# Altium PCB 4WD Robot Controller.PcbDoc
Units mil, origin at the board's own origin, x right, y up, seen from the top; angles counter-clockwise.
Board outline 4700 x 3150 mil, 2 copper layers (Top, Bottom); 113 components, 74 nets, 337 pads, 310 vias.
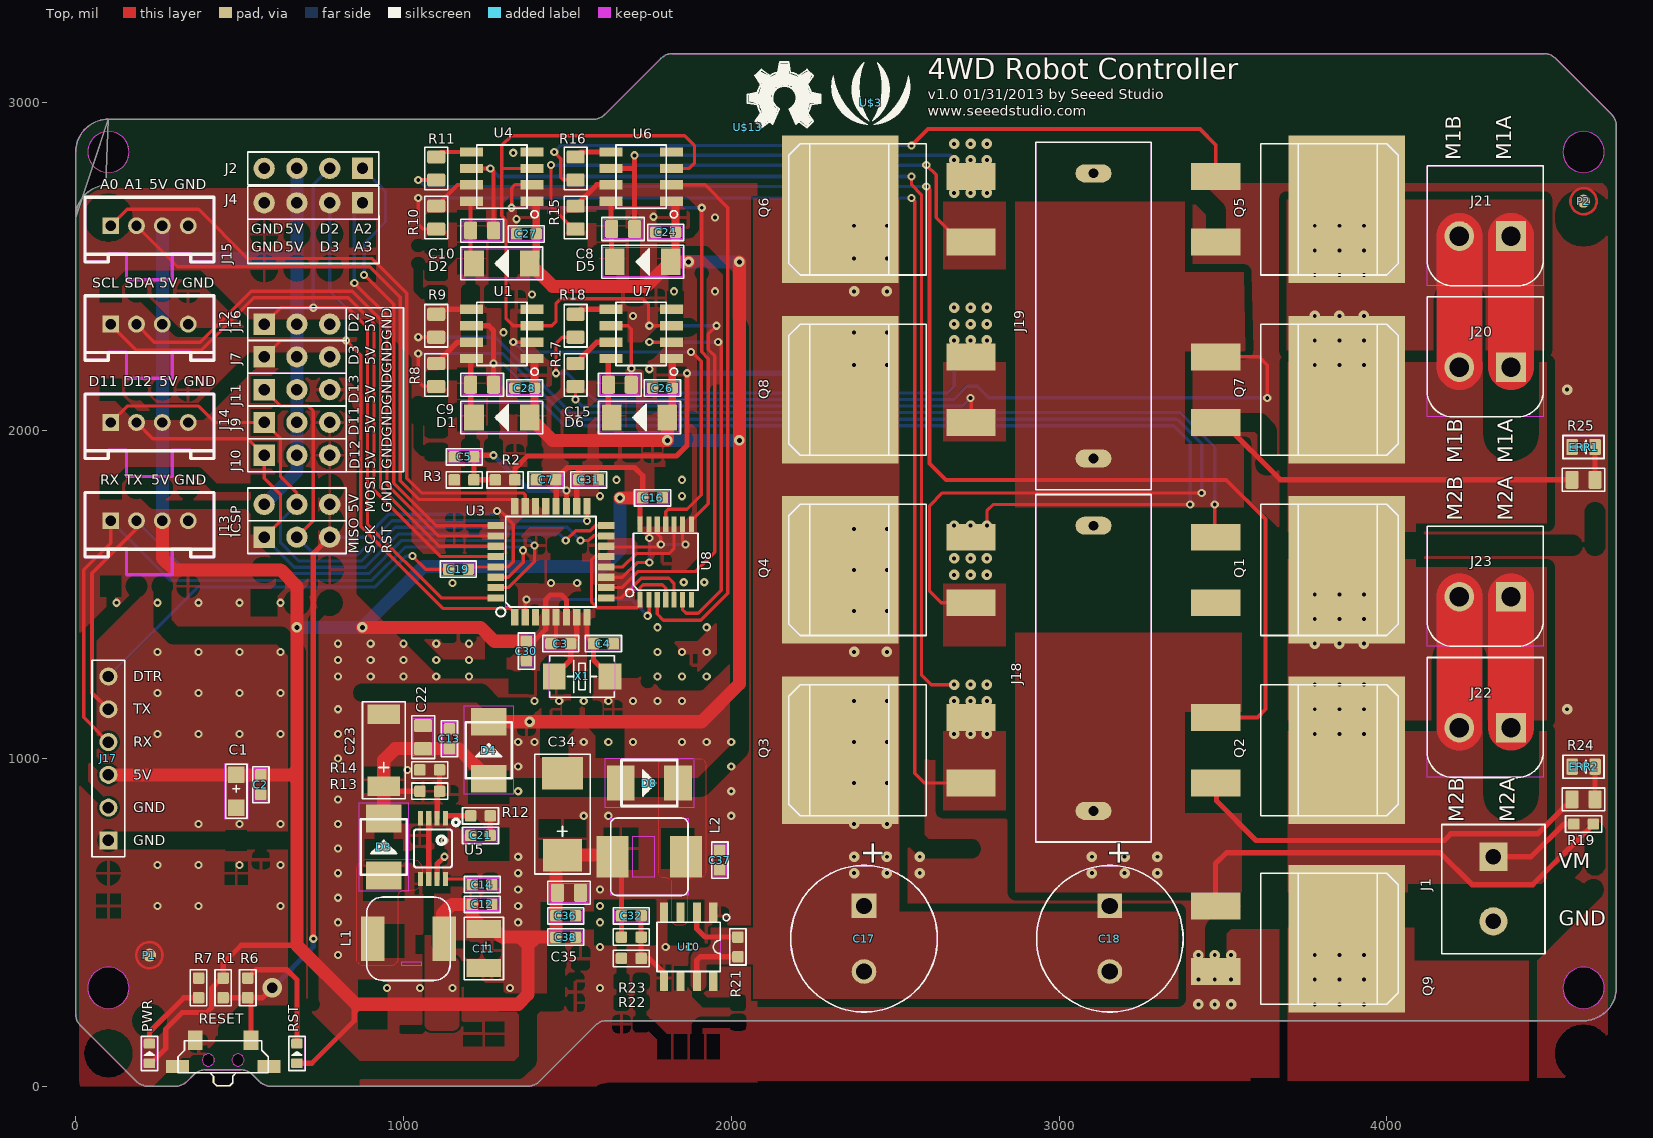
[diagram p0: Top view]
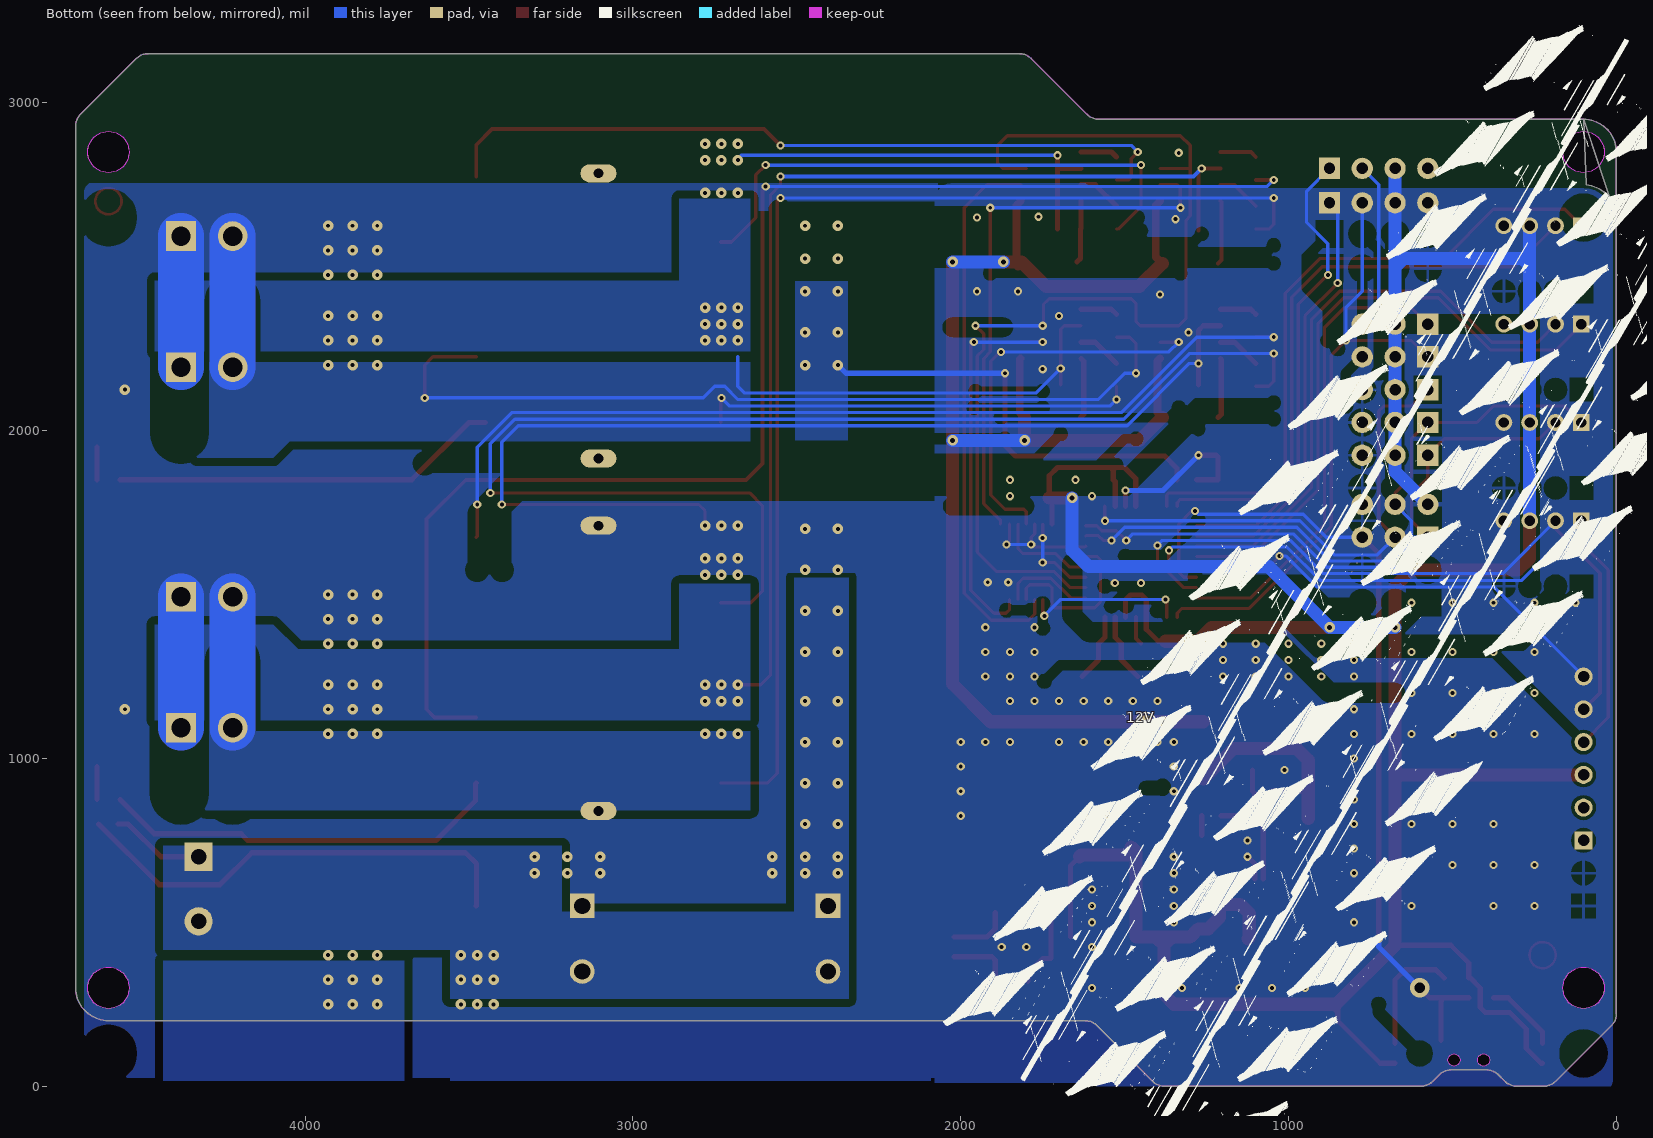
[diagram p1: Bottom view, seen from below]

## Layer stack, top to bottom
Top Solder: solder mask 0.4, Solder Resist, Dk 3.5
Top: signal copper 1.378
Dielectric 1: dielectric 12.6, FR-4, Dk 4.8
Bottom: signal copper 1.378
Bottom Solder: solder mask 0.4, Solder Resist, Dk 3.5

## Board outline
100,2950 ccw(c100,2850) 0,2850 0,220.71 ccw(c49.99,220.71) 14.64,185.36 185.36,14.64 ccw(c220.71,49.99) 220.71,0 304.29,0 ccw(c304.29,49.99) 339.64,14.64 360.36,35.36 cw(c395.71,0.01) 395.71,50 504.29,50 cw(c504.29,0.01) 539.64,35.36 560.36,14.64 ccw(c595.71,49.99) 595.71,0 1379.29,0 ccw(c1379.29,49.99) 1414.64,14.64 1585.36,185.36 cw(c1620.71,150.01) 1620.71,200 4600,200 ccw(c4600,300) 4700,300 4700,2929.29 ccw(c4650.01,2929.29) 4685.36,2964.64 4514.64,3135.36 ccw(c4479.29,3100.01) 4479.29,3150 1820.71,3150 ccw(c1820.71,3100.01) 1785.36,3135.36 1614.64,2964.64 cw(c1579.29,2999.99) 1579.29,2950 100,2950 ccw(c100,2650)
cut-out: 100,2787 ccw(c100,2850) 163,2850 ccw(c100,2850) 100,2913 ccw(c100,2850) 37,2850 ccw(c100,2850)
cut-out: 100,237 ccw(c100,300) 163,300 ccw(c100,300) 100,363 ccw(c100,300) 37,300 ccw(c100,300)
cut-out: 4600,2787 ccw(c4600,2850) 4663,2850 ccw(c4600,2850) 4600,2913 ccw(c4600,2850) 4537,2850 ccw(c4600,2850)
cut-out: 4600,237 ccw(c4600,300) 4663,300 ccw(c4600,300) 4600,363 ccw(c4600,300) 4537,300 ccw(c4600,300)
cut-out: 495.28,61.3 ccw(c495.28,80) 513.98,80 ccw(c495.28,80) 495.28,98.7 ccw(c495.28,80) 476.58,80 ccw(c495.28,80)
cut-out: 404.72,61.3 ccw(c404.72,80) 423.42,80 ccw(c404.72,80) 404.72,98.7 ccw(c404.72,80) 386.02,80 ccw(c404.72,80)

## Design rules (kind name [scope] priority, off if disabled: settings)
BoardOutlineClearance mdCopperDimension [All] p1: gap=10 ignorepadtopadclearanceinfootprint=FALSE except(0: Arc-SplitContinuation Track-SplitContinuation SMDPad-SplitContinuation THPad-SplitContinuation Via-SplitContinuation Fill-SplitContinuation Poly-SplitContinuation Region-SplitContinuation Text-SplitContinuation)
Clearance Clearance_for_PolygonClass_Isolate_25 [InPolygonClass('Isolate_25') vs IsArc Or IsTrack Or IsPad Or IsVia Or IsFill Or IsRegion Or IsText] p1: gap=25 ignorepadtopadclearanceinfootprint=FALSE
Clearance Clearance_for_PolygonClass_Isolate_8 [InPolygonClass('Isolate_8') vs IsArc Or IsTrack Or IsPad Or IsVia Or IsFill Or IsRegion Or IsText] p2: gap=8 ignorepadtopadclearanceinfootprint=FALSE
Clearance Clearance_for_PolygonClass_Isolate_16 [InPolygonClass('Isolate_16') vs IsArc Or IsTrack Or IsPad Or IsVia Or IsFill Or IsRegion Or IsText] p3: gap=16 ignorepadtopadclearanceinfootprint=FALSE
Clearance Clearance_for_PolygonClass_Isolate_393.7 [InPolygonClass('Isolate_393.7') vs IsArc Or IsTrack Or IsPad Or IsVia Or IsFill Or IsRegion Or IsText] p4: gap=393.7 ignorepadtopadclearanceinfootprint=FALSE
Clearance Clearance_for_PolygonClass_Isolate_10 [InPolygonClass('Isolate_10') vs IsArc Or IsTrack Or IsPad Or IsVia Or IsFill Or IsRegion Or IsText] p5: gap=10 ignorepadtopadclearanceinfootprint=FALSE
Clearance "Clearance (Same Net)" [All] p6: gap=6 ignorepadtopadclearanceinfootprint=FALSE
Clearance Clearance_for_NetClass_usbvcc [InNetClass('usbvcc') vs InNetClass('usbvcc')] p7: gap=8 ignorepadtopadclearanceinfootprint=FALSE
Clearance Clearance_for_NetClass_gnd [InNetClass('gnd') vs InNetClass('gnd')] p8: gap=8 ignorepadtopadclearanceinfootprint=FALSE
Clearance Clearance_for_NetClass_power [InNetClass('power') vs InNetClass('power')] p9: gap=8 ignorepadtopadclearanceinfootprint=FALSE
Clearance [All] p10: gap=6 ignorepadtopadclearanceinfootprint=FALSE
HoleSize HoleSize_For_NetClass_usbvcc [InNetClass('usbvcc')] p1: absolutevalues=TRUE maxlimit=12 minlimit=12 maxpercent=80.000 minpercent=20.000
HoleSize HoleSize_For_NetClass_gnd [InNetClass('gnd')] p2: absolutevalues=TRUE maxlimit=12 minlimit=12 maxpercent=80.000 minpercent=20.000
HoleSize HoleSize_For_NetClass_power [InNetClass('power')] p3: absolutevalues=TRUE maxlimit=12 minlimit=12 maxpercent=80.000 minpercent=20.000
HoleSize [All] p4: absolutevalues=TRUE maxlimit=100000 minlimit=12 maxpercent=80.000 minpercent=20.000
HoleToHoleClearance mdDrill [All] p1: gap=10 allowstackedmicrovias=TRUE
MinimumSolderMaskSliver [All] p1 off: minsoldermaskwidth=10
PasteMaskExpansion Expansion_SMDPaste_OFF [InPadClass('SMDPaste_OFF')] p1: expansion=0
PasteMaskExpansion mlMinCreamFrame [All] p2: expansion=0
PolygonConnect PolygonConnect_For_PolygonThermal_ON_Width100000_Gap100000 [InPolygonClass('PolygonThermal_ON_Width100000_Gap100000') vs Not IsVia] p1: connectstyle=Relief reliefconductorwidth=10 reliefentries=4 polygonreliefangle="90 Angle" airgapwidth=10
PolygonConnect PolygonConnect_For_PolygonThermal_ON_Width80000_Gap100000 [InPolygonClass('PolygonThermal_ON_Width80000_Gap100000') vs Not IsVia] p2: connectstyle=Relief reliefconductorwidth=8 reliefentries=4 polygonreliefangle="90 Angle" airgapwidth=10
PolygonConnect PolygonConnect_For_PolygonThermal_ON_Width160000_Gap100000 [InPolygonClass('PolygonThermal_ON_Width160000_Gap100000') vs Not IsVia] p3: connectstyle=Relief reliefconductorwidth=16 reliefentries=4 polygonreliefangle="90 Angle" airgapwidth=10
PolygonConnect PolygonConnect_For_PolygonThermal_OFF [InPolygonClass('PolygonThermal_OFF')] p4: connectstyle=Direct reliefconductorwidth=10 reliefentries=4 polygonreliefangle="90 Angle" airgapwidth=10
PolygonConnect ThermalVias [IsVia] p5: connectstyle=Direct reliefconductorwidth=10 reliefentries=4 polygonreliefangle="90 Angle" airgapwidth=10
PolygonConnect [All] p6: connectstyle=Relief reliefconductorwidth=10 reliefentries=4 polygonreliefangle="90 Angle" airgapwidth=10
RoutingVias [All] p1: holewidth=12 width=24 viastyle="Through Hole" minholewidth=12 minwidth=24 maxholewidth=100 maxwidth=100
SolderMaskExpansion Expansion_SMDSolder_OFF [InPadClass('SMDSolder_OFF')] p1: expansion=0
SolderMaskExpansion mlMinStopFrame [All] p2: expansion=2
Width Width_For_NetClass_usbvcc [InNetClass('usbvcc')] p1: maxlimit=10 minlimit=8 preferedwidth=8
Width Width_For_NetClass_gnd [InNetClass('gnd')] p2: maxlimit=10 minlimit=8 preferedwidth=8
Width Width_For_NetClass_power [InNetClass('power')] p3: maxlimit=10 minlimit=8 preferedwidth=8
Width [All] p4: maxlimit=10000 minlimit=6 preferedwidth=6
26 further rules are at their usual default settings.

## Classes and differential pairs
polygon class PolygonThermal_ON_Width100000_Gap100000: Polygon_4_Net_GND Polygon_5_Net_GND Polygon_6_Net_GND Polygon_7_Net_GND
polygon class PolygonThermal_ON_Width80000_Gap100000: Polygon_1_Net_GND
polygon class PolygonThermal_OFF: Polygon_1_Net_5V Polygon_1_Net_MOTOR1A Polygon_1_Net_MOTOR1B Polygon_1_Net_MOTOR2A Polygon_1_Net_MOTOR2B Polygon_1_Net_N$11 Polygon_1_Net_N$23 Polygon_1_Net_N$25 Polygon_1_Net_N$33 Polygon_1_Net_N$38 Polygon_1_Net_VM Polygon_2_Net_GND Polygon_2_Net_MOTOR1A Polygon_2_Net_MOTOR1B Polygon_2_Net_MOTOR2A Polygon_2_Net_MOTOR2B Polygon_2_Net_N$23 Polygon_2_Net_VM Polygon_3_Net_GND Polygon_3_Net_MOTOR1A Polygon_3_Net_MOTOR1B Polygon_3_Net_MOTOR2A Polygon_3_Net_MOTOR2B Polygon_3_Net_VM Polygon_4_Net_VM
polygon class Isolate_25: Polygon_6_Net_GND Polygon_7_Net_GND
polygon class Isolate_8: Polygon_4_Net_GND
polygon class Isolate_16: Polygon_1_Net_MOTOR1A Polygon_1_Net_MOTOR1B Polygon_1_Net_MOTOR2A Polygon_1_Net_MOTOR2B Polygon_1_Net_N$23 Polygon_1_Net_N$25 Polygon_1_Net_N$33 Polygon_1_Net_VM Polygon_2_Net_GND Polygon_2_Net_MOTOR1A Polygon_2_Net_MOTOR1B Polygon_2_Net_MOTOR2A Polygon_2_Net_MOTOR2B Polygon_2_Net_N$23 Polygon_2_Net_VM Polygon_3_Net_GND Polygon_3_Net_MOTOR1B Polygon_3_Net_MOTOR2A Polygon_3_Net_MOTOR2B
polygon class Isolate_393.7: Polygon_1_Net_GND
polygon class Isolate_10: Polygon_1_Net_5V Polygon_1_Net_N$11 Polygon_1_Net_N$38 Polygon_3_Net_MOTOR1A Polygon_3_Net_VM Polygon_4_Net_VM Polygon_5_Net_GND
pad class SMDSolder_OFF: P1-P$1 P2-P$1
pad class SMDPaste_OFF: 12V-T P1-P$1 P2-P$1

## Components (designator, comment, footprint, x,y, rotation, side; value= is the part's Value field where it differs from the comment)
12V "" TP_4545 1435,1110 r180 bottom
C1 "10uF/10V" AVX-A 490,900 r270 top
C2 "100nF" C0603 565,920 r270 top
C3 "22pF" C0603 1480,1350 r0 top
C4 "22pF" C0603 1610,1350 r0 top
C5 "100nF" C0603 1185,1920 r0 top
C7 "100n" C0603 1435,1850 r0 top
C8 "1uF/25V" C0805 1670,2615 r0 top
C9 "1uF/50V" C0805 1240,2140 r0 top
C10 "1uF/50V" C0805 1240,2610 r0 top
C11 "47uF/10V" 1210 1245,420 r270 top
C12 "0.1uF" C0603 1240,555 r180 top
C13 "100nF" C0603 1140,1060 r90 top
C14 "33nF" C0603 1240,615 r0 top
C15 "1uF/25V" C0805 1660,2140 r0 top
C16 "100nF" C0603 1760,1795 r0 top
C17 "470uF/50V" ELECTRO-11.36MM 2405,450 r270 top
C18 "470uF/50V" ELECTRO-11.36MM 3155,450 r270 top
C19 "100nF" C0603 1167.5,1577.5 r0 top
C21 "4.7nF" C0603 1235,765 r180 top
C22 "10uF" C0805 1060,1065 r90 top
C23 "16V-47uF" AVX-C 940,1025 r90 top
C24 "100nF" C0603 1800,2605 r0 top
C26 "100nF" C0603 1790,2130 r0 top
C27 "100nF" C0603 1375,2600 r0 top
C28 "100nF" C0603 1370,2130 r0 top
C30 "100nF" C0603 1375,1327.5 r90 top
C31 "100nF" C0603 1565,1850 r180 top
C32 "DNP" C0603 1695,520 r0 top
C34 "220uF/16V" AVX-D 1485,830 r90 top
C35 "10uF" C0805 1505,590 r180 top
C36 "100nF" C0603 1495,520 r180 top
C37 "100nF" C0603 1965,690 r270 top
C38 "100nF" C0603 1495,455 r180 top
D1 "ss14" D2010 1300,2040 r180 top
D2 "ss14" D2010 1300,2510 r180 top
D3 "SS54B" SMB 940,730 r90 top
D4 "SS54B" SMB 1260,1025 r90 top
D5 "ss14" D2010 1730,2515 r180 top
D6 "ss14" D2010 1720,2040 r180 top
D8 "SS54B" SMB 1750,925 r0 top
ERR1 "red" LED-0805 4600,1950 r180 top
ERR2 "red" LED-0805 4600,975 r180 top
ICSP "" 2X3P-2.54 675,1725 r90 top
J1 "" 2P-5.0 4325,700 r270 top
J2 "" 4P-65/35MIL 725,2800 r270 top
J4 "" 4P-65/35MIL 725,2695 r270 top
J7 "" 3P-2.54 675,2225 r90 top
J9 "" 3P-2.54 675,2025 r90 top
J10 "" 3P-2.54 675,1925 r90 top
J11 "" 3P-2.54 675,2125 r90 top
J12 "" 4P-2.0 225,2325 r0 top
J13 "" 4P-2.0 225,1725 r0 top
J14 "" 4P-2.0 225,2025 r0 top
J15 "" 4P-2.0 225,2625 r0 top
J16 "" 3P-2.54 675,2325 r90 top
J17 "" 6P-2.54-55/35MIL 100,1000 r180 top
J18 "JH517" 2P-26.9X8.9X15.4H 3105,1275 r270 top
J19 "JH517" 2P-26.9X8.9X15.4H 3105,2350 r90 top
J20 "" 2P-4.0 4300,2225 r180 top
J21 "" 2P-4.0 4300,2625 r180 top
J22 "" 2P-4.0 4300,1125 r180 top
J23 "" 2P-4.0 4300,1525 r180 top
L1 "10uH" 2626 1015,450 r0 top
L2 "10uH" L0630 1750,700 r180 top
LOGO "" TIRE-IMPRESS 1150,-325 r120 bottom
P1 "" ROUND-MARK-1.0 225,400 r0 top
P2 "" ROUND-MARK-1.0 4600,2700 r0 top
PWR "green" LED-0603 225,100 r90 top
Q1 "IRF3205S" TO263AB 3730,1575 r270 top
Q2 "IRF3205S" TO263AB 3730,1025 r270 top
Q3 "IRF3205S" TO263AB 2480,1025 r90 top
Q4 "IRF3205S" TO263AB 2480,1575 r90 top
Q5 "IRF3205S" TO263AB 3730,2675 r270 top
Q6 "IRF3205S" TO263AB 2480,2675 r90 top
Q7 "IRF3205S" TO263AB 3730,2125 r270 top
Q8 "IRF3205S" TO263AB 2480,2125 r90 top
Q9 "IRF3205S" TO263AB 3730,450 r270 top
R1 "10k" R0603 450,300 r270 top
R2 "430k-1%" R0603 1310,1850 r0 top
R3 "100k-1%" R0603 1185,1850 r0 top
R6 "1k" R0603 525,300 r270 top
R7 "1k" R0603 375,300 r90 top
R8 "51" R0805 1100,2170 r270 top
R9 "51" R0805 1100,2320 r270 top
R10 "51" R0805 1100,2650 r270 top
R11 "51" R0805 1100,2800 r270 top
R12 "3.9k" R0603 1235,825 r0 top
R13 "82k/1%" R0603 1080,900 r0 top
R14 "10k/1%" R0603 1080,965 r0 top
R15 "51" R0805 1525,2650 r270 top
R16 "51" R0805 1525,2800 r270 top
R17 "51" R0805 1525,2170 r270 top
R18 "51" R0805 1525,2320 r270 top
R19 "1k" R0603 4600,800 r0 top
R21 "100k" R0603 2020,425 r90 top
R22 "2k 1%" R0603 1695,390 r180 top
R23 "6.2k 1%" R0603 1695,455 r180 top
R24 "2k" R0805 4600,875 r180 top
R25 "2k" R0805 4600,1850 r180 top
RESET "TS-1188E" 4P-SMD-7X3.5X3.5H 450,80 r0 top
RST "red" LED-0603 675,100 r90 top
U1 "IR2104S" SOIC-8 1300,2295 r90 top
U3 "ATMEGA8/168/328" TQFP32 1450,1600 r90 top
U4 "IR2104S" SOIC-8 1300,2775 r90 top
U5 "ISL97516" MSOP8 1090,725 r180 top
U6 "IR2104S" SOIC-8 1725,2775 r90 top
U7 "IR2104S" SOIC-8 1725,2295 r90 top
U8 "SN74HCT08PW" TSSOP14 1800,1600 r0 top
U10 "TD1410" SOP8 1870,425 r180 top
U$3 "" LOGO_SILK 2425,3000 r0 top
U$13 "" OSHW_FILLX200_NOTEXT 2050,2925 r0 top
X1 "16MHz" 2P-SMD-5X3.2 1545,1250 r0 top

## Footprints (in the part's own frame and the unit in brackets; to place one, negate y for a bottom-side part, rotate by r counter-clockwise, add the part's x,y. Pads: shape width x height; smd on the part's side, far side on the other; paste and mask are expansions set on the pad)
2P-4.0 [mil] "2P-4.0"
  rect 90.55x90.55 / inner rect 60x60 / far side rect 90.55x90.55 hole 59.06: 1(-78.74,31.5)
  round 90.55 / inner round 60 / far side round 90.55 hole 59.06: 2(78.74,31.5)
  Top keep-out region: -177.17,-183.07 -177.17,183.07 177.17,183.07 177.17,-183.07
  silkscreen extent -177,-183 177,183
2P-5.0 [mil] "2P-5.0"
  rect 86x86 / inner rect 60x60 / far side rect 86x86 hole 47.24: 1(0,0)
  round 86 / inner round 60 / far side round 86 hole 47.24: 2(196.85,0)
  Top keep-out region: -98.43,-157.48 -98.43,157.48 295.28,157.48 295.28,-157.48
  silkscreen extent -98,-157 295,157
2P-26.9X8.9X15.4H [mil] "2P-26.9X8.9X15.4H"
  oval 55x110 / inner round 60 / far side oval 55x110 hole 30: 1(-435,0) 2(435,0)
  Top keep-out region: -530,-175 -530,175 530,175 530,-175
  silkscreen extent -530,-176 530,176
2P-SMD-5X3.2 [mil] "2P-SMD-5X3.2"
  rect 70x80 smd: 1(-85,0) 2(85,0)
  Top keep-out region: -100,-65 -100,65 100,65 100,-65
  silkscreen extent -98,-63 98,63
2X3P-2.54 [mil] "2X3P-2.54"
  rect 65x65 / inner rect 60x60 / far side rect 65x65 hole 35: 1(-50,100)
  round 65 / inner round 60 / far side round 65 hole 35: 2(-50,0) 3(-50,-100) 4(50,-100) 5(50,0) 6(50,100)
  Top keep-out region: -100,-150 -100,150 100,150 100,-150
  Top keep-out lines w0: -100,150 -100,-150 100,-150 100,150 -100,150
  silkscreen extent -100,-150 100,150
3P-2.54 [mil] "3P-2.54"
  rect 65x65 / inner rect 60x60 / far side rect 65x65 hole 35: 1(0,100)
  round 65 / inner round 60 / far side round 65 hole 35: 2(0,0) 3(0,-100)
  Top keep-out region: -50,-150 -50,150 50,150 50,-150
  Top keep-out lines w0: -50,150 -50,-150 50,-150 50,150 -50,150
  silkscreen extent -50,-150 50,150
4P-2.0 [mil] "4P-2.0"
  rect 51.5x51.5 / inner rect 60x60 / far side rect 51.5x51.5 hole 31.5: 1(-118.11,0)
  round 51.5 / inner round 60 / far side round 51.5 hole 31.5: 2(-39.37,0) 3(39.37,0) 4(118.11,0)
  Top keep-out lines w10: -196.85,-110.24 -196.85,86.61 196.85,86.61 196.85,-110.24 ; -195,-110 -125,-110 -125,-85 -70,-85 -70,-165 70,-165 70,-85 125,-85 125,-110 195,-110
  silkscreen extent -197,-110 197,87
4P-65/35MIL [mil] "4P-65/35MIL"
  rect 65x65 / inner rect 60x60 / far side rect 65x65 hole 35: 1(0,150)
  round 65 / inner round 60 / far side round 65 hole 35: 2(0,50) 3(0,-50) 4(0,-150)
  Top keep-out region: -50,-200 -50,200 50,200 50,-200
  Top keep-out lines w0: 50,-200 -50,-200 -50,200 50,200 50,-200
  silkscreen extent -50,-200 50,200
4P-SMD-7X3.5X3.5H [mil] "4P-SMD-7X3.5X3.5H"
  rect 45x60 smd: 1(-85,60) 2(85,60)
  rect 70x40 smd: S1(-140,-20) S2(140,-20)
  silkscreen extent -138,-79 138,59
6P-2.54-55/35MIL [mil] "6P-2.54-55/35MIL"
  rect 55x55 / inner rect 60x60 / far side rect 55x55 hole 35: 1(0,250)
  round 55 / inner round 60 / far side round 55 hole 35: 2(0,150) 3(0,50) 4(0,-50) 5(0,-150) 6(0,-250)
  Top keep-out region: -50,-300 -50,300 50,300 50,-300
  Top keep-out lines w0: 50,300 50,-300 -50,-300 -50,300 50,300
  silkscreen extent -50,-300 50,300
1210 [mil] "1210"
  rect 55x105 smd: +(-60,0) -(60,0)
  Top keep-out region: -95,-60 -95,60 95,60 95,-60
  silkscreen extent -95,-60 95,60
2626 [mil] "2626"
  rect 72x135 smd: 1(-109,0) 2(109,0)
  Top keep-out lines w5: -127.5,-77.5 ccw(c-77.5,-77.5) -77.5,-127.5 77.5,-127.5 ccw(c77.5,-77.5) 127.5,-77.5 127.5,0 127.5,77.5 ccw(c77.5,77.5) 77.5,127.5 -77.5,127.5 ccw(c-77.5,77.5) -127.5,77.5 -127.5,0 -127.5,-77.5
  silkscreen extent -128,-128 128,128
AVX-A [mil] "AVX-A"
  rect 50x50 smd: +(-50,0) -(50,0)
  Top keep-out region: -85,-35 -85,35 85,35 85,-35
  silkscreen extent -82,-33 82,33
AVX-C [mil] "AVX-C"
  rect 60x100 smd: +(-110,0) -(110,0)
  Top keep-out region: -147.5,-65 -147.5,65 147.5,65 147.5,-65
  silkscreen extent -148,-65 148,65
AVX-D [mil] "AVX-D"
  rect 100x120 smd: +(-125,0)
  rect 100x125 smd: -(125,0)
  Top keep-out region: -182.5,-85 -182.5,85 182.5,85 182.5,-85
  silkscreen extent -182,-85 182,85
C0603 [mil] "C0603"
  rrect25% 35x35 smd: 1(-30,0) 2(30,0)
  Top keep-out region: -50,-20 -50,20 50,20 50,-20
  silkscreen extent -55,-25 55,25
C0805 [mil] "C0805"
  rrect25% 40x55 smd: 1(-35,0) 2(35,0)
  Top keep-out region: -57.5,-30 -57.5,30 57.5,30 57.5,-30
  silkscreen extent -65,-35 65,35
D2010 [mil] "D2010"
  rect 60x80 smd: +(-85,0) -(85,0)
  Top keep-out region: -120,-45 -120,45 120,45 120,-45
  silkscreen extent -125,-50 125,50
ELECTRO-11.36MM [mil] "ELECTRO-11.36MM"
  rect 75x75 / inner rect 60x60 / far side rect 75x75 hole 50: +(-100,0)
  round 75 / inner round 60 / far side round 75 hole 50: -(100,0)
  Top keep-out circle w5: c0,0 r223.61
  silkscreen extent -223,-224 223,224
L0630 [mil] "L0630"
  rect 98.43x125.98 smd: 1(-112.2,0) 2(112.2,0)
  Top keep-out region: -118.11,-118.11 -118.11,118.11 118.11,118.11 118.11,-118.11
  silkscreen extent -118,-118 118,118
LED-0603 [mil] "LED-0603"
  rrect25% 30x35 smd: +(-30,0) -(30,0)
  Top keep-out region: -50,-22.5 -50,22.5 50,22.5 50,-22.5
  silkscreen extent -52,-25 52,25
LED-0805 [mil] "LED-0805"
  rrect25% 35x50 smd: +(-35,0) -(35,0)
  Top keep-out region: -62.5,-35 -62.5,35 62.5,35 62.5,-35
  silkscreen extent -63,-35 63,35
LOGO_SILK [mil] "LOGO_SILK"
  silkscreen extent -119,-66 121,124
MSOP8 [mm] "MSOP8"
  rect 0.4x1.1 smd: 1(-0.975,-2.35) 2(-0.325,-2.35) 3(0.325,-2.35) 4(0.975,-2.35) 5(0.975,2.35) 6(0.325,2.35) 7(-0.325,2.35) 8(-0.975,2.35)
  Top keep-out region: -1.5,-1.5 -1.5,1.5 1.5,1.5 1.5,-1.5
  silkscreen extent -1.48,-1.49 1.48,1.48
OSHW_FILLX200_NOTEXT [mil] "OSHW_FILLX200_NOTEXT"
  silkscreen extent 0,0 223,200
R0603 [mil] "R0603"
  rrect25% 35x35 smd: 1(-30,0) 2(30,0)
  silkscreen extent -55,-25 55,25
R0805 [mil] "R0805"
  rrect25% 40x55 smd: 1(-35,0) 2(35,0)
  silkscreen extent -65,-35 65,35
ROUND-MARK-1.0 [mil] "ROUND-MARK-1.0"
  rrect100% 40x40 smd paste-20 mask-20: P$1(0,0)
  Top circle w8: c0,0 r40